# Altium PCB STM_Core_BRD.PcbDoc
Units mm, origin at the board's own origin, x right, y up, seen from the top; angles counter-clockwise.
Board outline 78 x 61 mm, 2 copper layers (Top Layer, Bottom Layer); 43 components, 249 nets, 650 pads, 155 vias.
Unrouted connection lines stored in the file: 1.
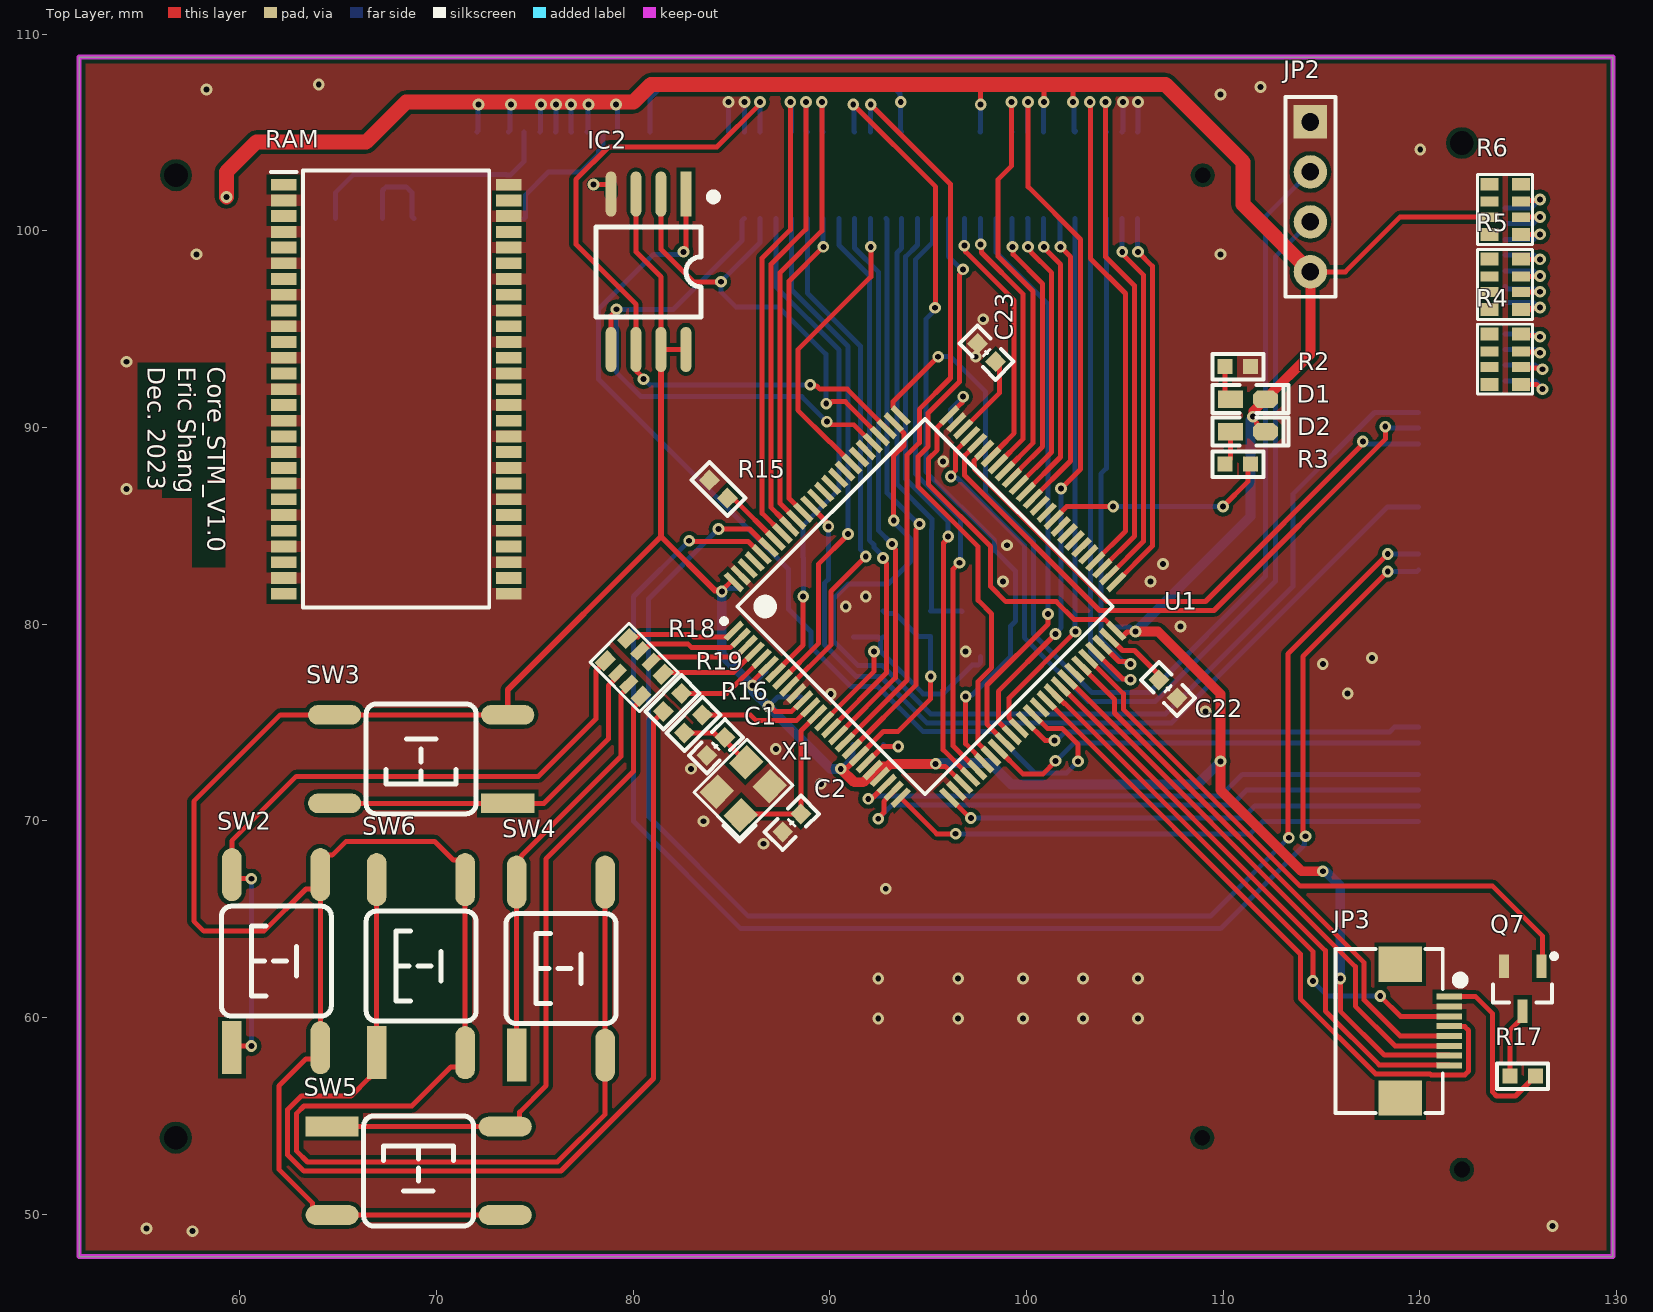
[diagram p0: Top Layer view]
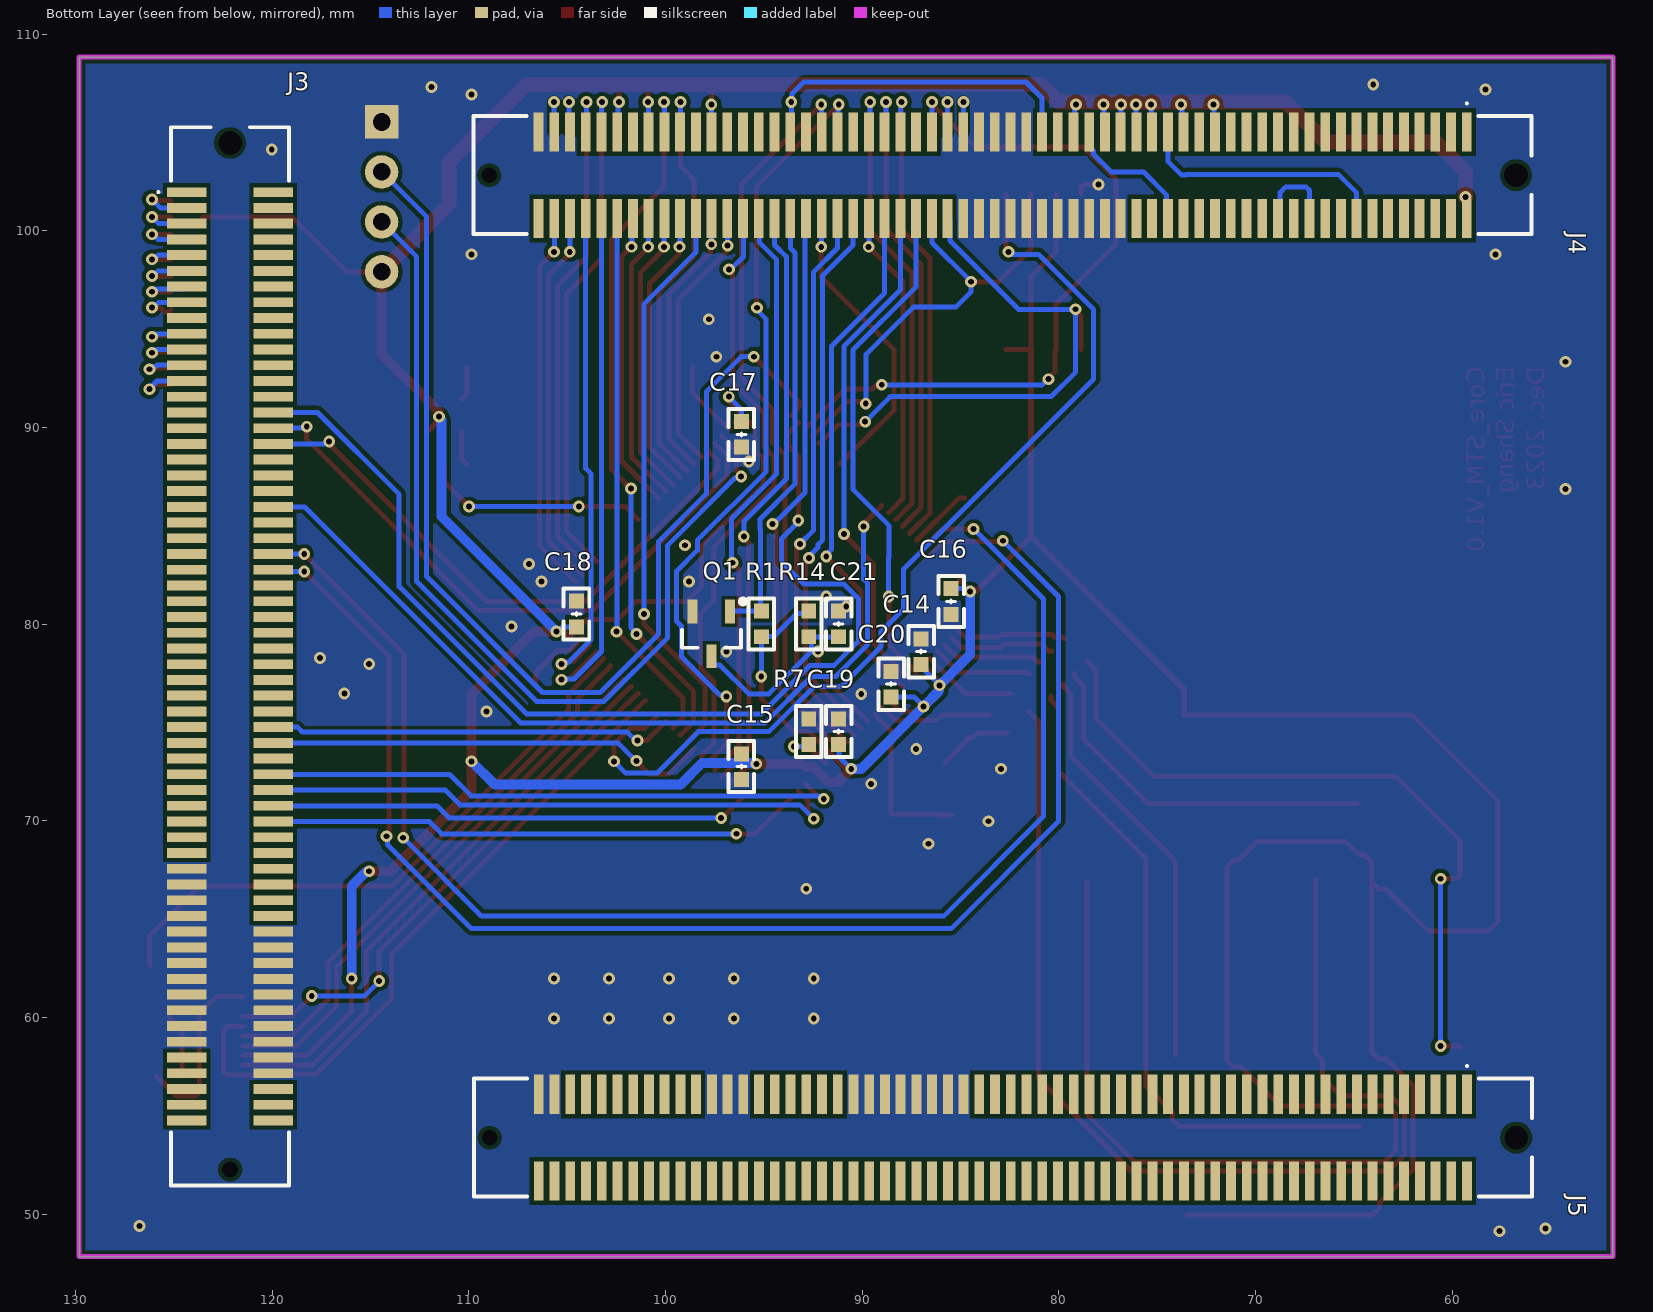
[diagram p1: Bottom Layer view, seen from below]

## Layer stack, top to bottom
Top Solder: solder mask 0.0102, Solder Resist, Dk 3.5
Top Layer: signal copper 0.0356
Dielectric 1: dielectric 0.32, FR-4, Dk 4.8
Bottom Layer: signal copper 0.0356
Bottom Solder: solder mask 0.0102, Solder Resist, Dk 3.5

## Board outline
51.816,47.839 51.816,108.839 129.816,108.839 129.816,47.839

## Design rules (kind name [scope] priority, off if disabled: settings)
Clearance [All] p1: gap=0.2 ignorepadtopadclearanceinfootprint=FALSE
PolygonConnect [All] p1: connectstyle=Direct reliefconductorwidth=0.254 reliefentries=4 polygonreliefangle="90 Angle" airgapwidth=0.254
RoomDefinition U_STM32 [InComponentClass('U_STM32')] p1: confinementstyle=ConfineIn formatcopy=TRUE lockcomponents=FALSE outline 51.816,47.371 129.286,47.371 129.286,108.712 51.816,108.712
RoomDefinition CorePort [InComponentClass('CorePort')] p2: confinementstyle=ConfineIn formatcopy=TRUE lockcomponents=FALSE outline 51.562,47.117 129.413,47.117 129.413,108.839 51.562,108.839
RoutingVias [All] p1: holewidth=0.3 width=0.6 viastyle="Through Hole" minholewidth=0.3 minwidth=0.6 maxholewidth=1 maxwidth=2
SolderMaskExpansion [All] p1: expansion=0.102 istentingtop=FALSE
Width [All] p1: maxlimit=0.762 minlimit=0.254 preferedwidth=0.254 minimp=50.000000 maximp=50.000000 favimp=50.000000
30 further rules are at their usual default settings.

## Classes and differential pairs
component class U_STM32: C1 C2 C14 C15 C16 C17 C18 C19 C20 C21 C22 C23 D1 D2 IC2 JP2 JP3 Q1 Q7 R1 R2 R3 R7 R14 R15 R16 R17 R18 R19 SW2 SW3 SW4 SW5 SW6 U1 X1
component class CorePort: J3 J4 J5 R4 R5 R6

## Components (designator, comment, footprint, x,y, rotation, side; value= is the part's Value field where it differs from the comment)
C1 "22pF" "C 0603_L" 84.201,73.787 r45 top
C2 "22pF" "C 0603_L" 88.059,69.898 r225 top
C14 "104" "C 0603_L" 86.995,78.598 r270 bottom
C15 "104" "C 0603_L" 96.139,72.756 r90 bottom
C16 "104" "C 0603_L" 85.471,81.153 r90 bottom
C17 "104" "C 0603_L" 96.139,89.647 r90 bottom
C18 "104" "C 0603_L" 104.521,80.518 r270 bottom
C19 "104" "C 0603_L" 91.186,74.534 r270 bottom
C20 "104" "C 0603_L" 88.519,76.947 r270 bottom
C21 "104" "C 0603_L" 91.186,80.01 r270 bottom
C22 "104" "C 0603_L" 107.188,76.708 r135 top
C23 "104" "C 0603_L" 97.966,93.805 r315 top
D1 "LED" "LED 0603W" 111.252,91.433 r0 top
D2 "LED" "LED 0603W" 111.252,89.789 r0 top
IC2 "W25Qxx" SOP8W_N 80.772,97.917 r270 top
J3 "10139085-121402LF" 10139085121402LF 122.133,78.366 r90 bottom
J4 "10139781-121402LF" 10139781121402LF 82.85,102.829 r180 bottom
J5 "10139781-121402LF" 10139781121402LF 82.837,53.889 r180 bottom
JP2 "HDR-1X4" HDR2.54-LI-4P 114.427,101.727 r270 top
JP3 "HDR-1X8" "FPC0.5 2H-WS-8P" 118.999,59.309 r270 top
Q1 "SI2302" SOT23-3N 97.663,79.502 r0 bottom
Q7 "SS8050" SOT23-3N 125.222,61.468 r180 top
R1 "10K" "R 0603_L" 95.123,80.01 r270 bottom
R2 "100R" "R 0603_L" 110.744,93.091 r180 top
R3 "500R" "R 0603_L" 110.744,88.138 r180 top
R4 "102" RCA-8P4R-0603 124.333,93.472 r90 top
R5 "102" RCA-8P4R-0603 124.333,97.282 r90 top
R6 "102" RCA-8P4R-0603 124.333,101.092 r90 top
R7 "0" "R 0603_L" 92.71,74.534 r270 bottom
R14 "10K" "R 0603_L" 92.71,80.01 r90 bottom
R15 "10K" "R 0603_L" 84.328,86.868 r315 top
R16 "0" "R 0603_L" 83.058,74.93 r45 top
R17 "10" "R 0603_L" 125.222,57.023 r0 top
R18 "1K" RCA-8P4R-0603 80.052,77.798 r315 top
R19 "1K" "R 0603_L" 81.994,76.025 r45 top
RAM "Comment" SOP80P1176X120-54N 67.945,91.948 r0 top
SW2 "6x6x5" "TSW SMD-6*6*4.3" 61.849,62.865 r90 top
SW3 "6x6x5" "TSW SMD-6*6*4.3" 69.215,73.152 r180 top
SW4 "6x6x5" "TSW SMD-6*6*4.3" 76.327,62.484 r90 top
SW5 "6x6x5" "TSW SMD-6*6*4.3" 69.088,52.197 r0 top
SW6 "6x6x5" "TSW SMD-6*6*4.3" 69.215,62.611 r90 top
U1 "STM32F407VGT6" LQFP100_V 94.833,80.897 r45 top locked
X1 "8M" "OSC 3225-4P" 85.598,71.628 r45 top

## Footprints (in the part's own frame and the unit in brackets; to place one, negate y for a bottom-side part, rotate by r counter-clockwise, add the part's x,y. Pads: shape width x height; smd on the part's side, far side on the other; paste and mask are expansions set on the pad)
10139085121402LF [mm]
  rect 0.5x2 smd: 1(23.6,2.2) 2(22.8,2.2) 3(22,2.2) 4(21.2,2.2) 5(20.4,2.2) 6(19.6,2.2) 7(18.8,2.2) 8(18,2.2) 9(17.2,2.2) 10(16.4,2.2) 11(15.6,2.2) 12(14.8,2.2) 13(14,2.2) 14(13.2,2.2) 15(12.4,2.2) 16(11.6,2.2) 17(10.8,2.2) 18(10,2.2) 19(9.2,2.2) 20(8.4,2.2) 21(7.6,2.2) 22(6.8,2.2) 23(6,2.2) 24(5.2,2.2) 25(4.4,2.2) 26(3.6,2.2) 27(2.8,2.2) 28(2,2.2) 29(1.2,2.2) 30(0.4,2.2) 31(-0.4,2.2) 32(-1.2,2.2) 33(-2,2.2) 34(-2.8,2.2) 35(-3.6,2.2) 36(-4.4,2.2) 37(-5.2,2.2) 38(-6,2.2) 39(-6.8,2.2) 40(-7.6,2.2) 41(-8.4,2.2) 42(-9.2,2.2) 43(-10,2.2) 44(-10.8,2.2) 45(-11.6,2.2) 46(-12.4,2.2) 47(-13.2,2.2) 48(-14,2.2) 49(-14.8,2.2) 50(-15.6,2.2) 51(-16.4,2.2) 52(-17.2,2.2) 53(-18,2.2) 54(-18.8,2.2) 55(-19.6,2.2) 56(-20.4,2.2) 57(-21.2,2.2) 58(-22,2.2) 59(-22.8,2.2) 60(-23.6,2.2) 61(23.6,-2.2) 62(22.8,-2.2) 63(22,-2.2) 64(21.2,-2.2) 65(20.4,-2.2) 66(19.6,-2.2) 67(18.8,-2.2) 68(18,-2.2) 69(17.2,-2.2) 70(16.4,-2.2) 71(15.6,-2.2) 72(14.8,-2.2) 73(14,-2.2) 74(13.2,-2.2) 75(12.4,-2.2) 76(11.6,-2.2) 77(10.8,-2.2) 78(10,-2.2) 79(9.2,-2.2) 80(8.4,-2.2) 81(7.6,-2.2) 82(6.8,-2.2) 83(6,-2.2) 84(5.2,-2.2) 85(4.4,-2.2) 86(3.6,-2.2) 87(2.8,-2.2) 88(2,-2.2) 89(1.2,-2.2) 90(0.4,-2.2) 91(-0.4,-2.2) 92(-1.2,-2.2) 93(-2,-2.2) 94(-2.8,-2.2) 95(-3.6,-2.2) 96(-4.4,-2.2) 97(-5.2,-2.2) 98(-6,-2.2) 99(-6.8,-2.2) 100(-7.6,-2.2) 101(-8.4,-2.2) 102(-9.2,-2.2) 103(-10,-2.2) 104(-10.8,-2.2) 105(-11.6,-2.2) 106(-12.4,-2.2) 107(-13.2,-2.2) 108(-14,-2.2) 109(-14.8,-2.2) 110(-15.6,-2.2) 111(-16.4,-2.2) 112(-17.2,-2.2) 113(-18,-2.2) 114(-18.8,-2.2) 115(-19.6,-2.2) 116(-20.4,-2.2) 117(-21.2,-2.2) 118(-22,-2.2) 119(-22.8,-2.2) 120(-23.6,-2.2)
  round 0.6 hole 1.2 unplated: MH1(26.1,0)
  round 0.4 hole 0.8 unplated: MH2(-26.1,0)
  silkscreen extent -26.9,-3 26.9,3.7, body extent -26.9,-2.9 26.9,3.1, height 4.65
10139781121402LF [mm]
  rect 0.5x2 smd: 1(23.6,2.2) 2(22.8,2.2) 3(22,2.2) 4(21.2,2.2) 5(20.4,2.2) 6(19.6,2.2) 7(18.8,2.2) 8(18,2.2) 9(17.2,2.2) 10(16.4,2.2) 11(15.6,2.2) 12(14.8,2.2) 13(14,2.2) 14(13.2,2.2) 15(12.4,2.2) 16(11.6,2.2) 17(10.8,2.2) 18(10,2.2) 19(9.2,2.2) 20(8.4,2.2) 21(7.6,2.2) 22(6.8,2.2) 23(6,2.2) 24(5.2,2.2) 25(4.4,2.2) 26(3.6,2.2) 27(2.8,2.2) 28(2,2.2) 29(1.2,2.2) 30(0.4,2.2) 31(-0.4,2.2) 32(-1.2,2.2) 33(-2,2.2) 34(-2.8,2.2) 35(-3.6,2.2) 36(-4.4,2.2) 37(-5.2,2.2) 38(-6,2.2) 39(-6.8,2.2) 40(-7.6,2.2) 41(-8.4,2.2) 42(-9.2,2.2) 43(-10,2.2) 44(-10.8,2.2) 45(-11.6,2.2) 46(-12.4,2.2) 47(-13.2,2.2) 48(-14,2.2) 49(-14.8,2.2) 50(-15.6,2.2) 51(-16.4,2.2) 52(-17.2,2.2) 53(-18,2.2) 54(-18.8,2.2) 55(-19.6,2.2) 56(-20.4,2.2) 57(-21.2,2.2) 58(-22,2.2) 59(-22.8,2.2) 60(-23.6,2.2) 61(23.6,-2.2) 62(22.8,-2.2) 63(22,-2.2) 64(21.2,-2.2) 65(20.4,-2.2) 66(19.6,-2.2) 67(18.8,-2.2) 68(18,-2.2) 69(17.2,-2.2) 70(16.4,-2.2) 71(15.6,-2.2) 72(14.8,-2.2) 73(14,-2.2) 74(13.2,-2.2) 75(12.4,-2.2) 76(11.6,-2.2) 77(10.8,-2.2) 78(10,-2.2) 79(9.2,-2.2) 80(8.4,-2.2) 81(7.6,-2.2) 82(6.8,-2.2) 83(6,-2.2) 84(5.2,-2.2) 85(4.4,-2.2) 86(3.6,-2.2) 87(2.8,-2.2) 88(2,-2.2) 89(1.2,-2.2) 90(0.4,-2.2) 91(-0.4,-2.2) 92(-1.2,-2.2) 93(-2,-2.2) 94(-2.8,-2.2) 95(-3.6,-2.2) 96(-4.4,-2.2) 97(-5.2,-2.2) 98(-6,-2.2) 99(-6.8,-2.2) 100(-7.6,-2.2) 101(-8.4,-2.2) 102(-9.2,-2.2) 103(-10,-2.2) 104(-10.8,-2.2) 105(-11.6,-2.2) 106(-12.4,-2.2) 107(-13.2,-2.2) 108(-14,-2.2) 109(-14.8,-2.2) 110(-15.6,-2.2) 111(-16.4,-2.2) 112(-17.2,-2.2) 113(-18,-2.2) 114(-18.8,-2.2) 115(-19.6,-2.2) 116(-20.4,-2.2) 117(-21.2,-2.2) 118(-22,-2.2) 119(-22.8,-2.2) 120(-23.6,-2.2)
  round 0.6 hole 1.2 unplated: MH1(26.1,0)
  round 0.4 hole 0.8 unplated: MH2(-26.1,0)
  silkscreen extent -26.9,-3 26.9,3.7, body extent -26.9,-3 26.9,3, height 3.74
"C 0603_L" [mil] "无极性贴片电容                                       淘宝ID:黄晶宝石"
  rect 30x30 smd: 1(-25.59,0) 2(25.59,0)
  silkscreen extent -51,-26 51,26, body extent -31,-16 31,16, height 32
"FPC0.5 2H-WS-8P" [mm] "长：8.2mm，宽：5.2mm，高：2mm 淘宝ID:黄晶宝石   店铺网址:https://shop463601444.taobao.com"
  rect 1.8x2.2 smd: 0(-3.4,0) 0(3.4,0)
  rect 0.3x1.3 smd: 1(-1.75,2.497) 2(-1.25,2.497) 3(-0.75,2.497) 4(-0.25,2.497) 5(0.25,2.497) 6(0.75,2.497) 7(1.25,2.497) 8(1.75,2.497)
  silkscreen extent -4.17,-3.3 4.17,3.23, body extent -4.1,-3.15 4.1,2.85, height 2
HDR2.54-LI-4P [mm] "排针，4脚"
  rect 1.7x1.7 hole 0.9: 1(-3.81,0)
  round 1.7 hole 0.9: 2(-1.27,0) 3(1.27,0) 4(3.81,0)
  silkscreen extent -5.08,-1.27 5.08,1.27, body extent -5.08,-1.27 5.08,1.27, height 8.5
"LED 0603W" [mil] "白色0603LED                                        淘宝ID:黄晶宝石"
  rect 50x35 smd: 1(-35,0.26)
  oct 50x35 smd: 2(35,0.26)
  silkscreen extent -71,-28 81,28, body extent -31,-16 32,16, height 18
LQFP100_V [mm] "Thin QFP, 100-Leads, Body 14x14mm, Pitch 0.5mm, ST Recommended"
  rect 1.2x0.3 smd: 1(-7.75,6) 2(-7.75,5.5) 3(-7.75,5) 4(-7.75,4.5) 5(-7.75,4) 6(-7.75,3.5) 7(-7.75,3) 8(-7.75,2.5) 9(-7.75,2) 10(-7.75,1.5) 11(-7.75,1) 12(-7.75,0.5) 13(-7.75,0) 14(-7.75,-0.5) 15(-7.75,-1) 16(-7.75,-1.5) 17(-7.75,-2) 18(-7.75,-2.5) 19(-7.75,-3) 20(-7.75,-3.5) 21(-7.75,-4) 22(-7.75,-4.5) 23(-7.75,-5) 24(-7.75,-5.5) 25(-7.75,-6) 51(7.75,-6) 52(7.75,-5.5) 53(7.75,-5) 54(7.75,-4.5) 55(7.75,-4) 56(7.75,-3.5) 57(7.75,-3) 58(7.75,-2.5) 59(7.75,-2) 60(7.75,-1.5) 61(7.75,-1) 62(7.75,-0.5) 63(7.75,0) 64(7.75,0.5) 65(7.75,1) 66(7.75,1.5) 67(7.75,2) 68(7.75,2.5) 69(7.75,3) 70(7.75,3.5) 71(7.75,4) 72(7.75,4.5) 73(7.75,5) 74(7.75,5.5) 75(7.75,6)
  rect 0.3x1.2 smd: 26(-6,-7.75) 27(-5.5,-7.75) 28(-5,-7.75) 29(-4.5,-7.75) 30(-4,-7.75) 31(-3.5,-7.75) 32(-3,-7.75) 33(-2.5,-7.75) 34(-2,-7.75) 35(-1.5,-7.75) 36(-1,-7.75) 37(-0.5,-7.75) 38(0,-7.75) 39(0.5,-7.75) 40(1,-7.75) 41(1.5,-7.75) 42(2,-7.75) 43(2.5,-7.75) 44(3,-7.75) 45(3.5,-7.75) 46(4,-7.75) 47(4.5,-7.75) 48(5,-7.75) 49(5.5,-7.75) 50(6,-7.75) 76(6,7.75) 77(5.5,7.75) 78(5,7.75) 79(4.5,7.75) 80(4,7.75) 81(3.5,7.75) 82(3,7.75) 83(2.5,7.75) 84(2,7.75) 85(1.5,7.75) 86(1,7.75) 87(0.5,7.75) 88(0,7.75) 89(-0.5,7.75) 90(-1,7.75) 91(-1.5,7.75) 92(-2,7.75) 93(-2.5,7.75) 94(-3,7.75) 95(-3.5,7.75) 96(-4,7.75) 97(-4.5,7.75) 98(-5,7.75) 99(-5.5,7.75) 100(-6,7.75)
  silkscreen extent -7.87,-6.75 6.75,6.82, body extent -7,-7 7,7, height 1.6
"OSC 3225-4P" [mm] "3.2*2.5*0.7mm(长宽高)                         淘宝ID:黄晶宝石"
  rect 1.3x1.2 smd: 1(-1.05,-0.85) 2(1.05,-0.85) 3(1.05,0.85) 4(-1.05,0.85)
  silkscreen extent -2.03,-1.75 1.9,1.65, body extent -1.6,-1.25 1.6,1.25, height 0.7
"R 0603_L" [mil] "1/10W贴片电阻                 淘宝ID:黄晶宝石"
  rect 30x30 smd: 1(-25.59,0) 2(25.59,0)
  silkscreen extent -51,-26 51,26, body extent -31,-16 31,16, height 16
RCA-8P4R-0603 [mm] "3.2mm*1.6mm*0.6mm(长*宽*厚)"
  rect 0.65x0.9 smd: 1(-1.28,-0.8) 4(1.28,-0.8) 5(1.28,0.8) 8(-1.28,0.8)
  rect 0.5x0.9 smd: 2(-0.4,-0.8) 3(0.4,-0.8) 6(0.4,0.8) 7(-0.4,0.8)
  silkscreen extent -1.78,-1.4 1.78,1.4, body extent -1.6,-0.8 1.6,0.8, height 0.6
SOP8W_N [mm] "5.3*8.3*1.8mm（长宽高）"
  rect 2.3x0.55 smd: 1(-3.95,1.905)
  oval 2.3x0.55 smd: 2(-3.95,0.635) 3(-3.95,-0.635) 4(-3.95,-1.905) 5(3.95,-1.905) 6(3.95,-0.635) 7(3.95,0.635) 8(3.95,1.905)
  silkscreen extent -3.94,-2.67 2.29,3.43, body extent -3.94,-2.64 3.94,2.64, height 1.9
SOP80P1176X120-54N [mm]
  rect 1.295x0.6 smd: 1(-5.728,10.4) 2(-5.728,9.6) 3(-5.728,8.8) 4(-5.728,8) 5(-5.728,7.2) 6(-5.728,6.4) 7(-5.728,5.6) 8(-5.728,4.8) 9(-5.728,4) 10(-5.728,3.2) 11(-5.728,2.4) 12(-5.728,1.6) 13(-5.728,0.8) 14(-5.728,0) 15(-5.728,-0.8) 16(-5.728,-1.6) 17(-5.728,-2.4) 18(-5.728,-3.2) 19(-5.728,-4) 20(-5.728,-4.8) 21(-5.728,-5.6) 22(-5.728,-6.4) 23(-5.728,-7.2) 24(-5.728,-8) 25(-5.728,-8.8) 26(-5.728,-9.6) 27(-5.728,-10.4) 28(5.728,-10.4) 29(5.728,-9.6) 30(5.728,-8.8) 31(5.728,-8) 32(5.728,-7.2) 33(5.728,-6.4) 34(5.728,-5.6) 35(5.728,-4.8) 36(5.728,-4) 37(5.728,-3.2) 38(5.728,-2.4) 39(5.728,-1.6) 40(5.728,-0.8) 41(5.728,0) 42(5.728,0.8) 43(5.728,1.6) 44(5.728,2.4) 45(5.728,3.2) 46(5.728,4) 47(5.728,4.8) 48(5.728,5.6) 49(5.728,6.4) 50(5.728,7.2) 51(5.728,8) 52(5.728,8.8) 53(5.728,9.6) 54(5.728,10.4)
  silkscreen extent -6.38,-11.11 4.73,11.11, body extent -5.88,-11.11 5.88,11.11, height 1.2
SOT23-3N [mm] "3x1.3x1mm(长宽高)    封装库来自淘宝卖家 ID：黄晶宝石"
  rect 0.5x1.2 smd: 1(-0.95,-1.143) 2(0.95,-1.143) 3(0,1.143)
  silkscreen extent -1.72,-1.78 1.5,0.7, body extent -1.5,-1.2 1.5,1.2, height 1.05
"TSW SMD-6*6*4.3" [mm] "6*6*4.3mm"
  rect 2.7x1 smd: 1(-4.4,2.261)
  oval 2.7x1 smd: 2(-4.4,-2.239) 3(4.4,-2.239) 4(4.4,2.261)
  silkscreen extent -2.79,-2.79 2.79,2.79, body extent -4.5,-3 4.5,3, height 4.25

## Part data
C1 C2 C14 C15 C16 C17 C18 C19 C20 C21 C22 C23: library part C, "贴片电容", BOM名称=无极性贴片电容, 唯一出售店铺网址=https://shop463601444.taobao.com, 淘宝ID="封装库来自淘宝 ID：黄晶宝石", 联系售后，技术支持=https://shop463601444.taobao.com
D1 D2: "发光二极管", 技术支持，联系售后=https://shop463601444.taobao.com
IC2: library part W25Q, "SPI Flash", BOM名称=外置Flash, 学习资源=https://shop463601444.taobao.com, 版权归属="封装库来自淘宝 ID：黄晶宝石"
J3: "Connector FE", Manufacturer_Name="Amphenol Communications Solutions", Manufacturer_Part_Number=10139781-121402LF, Datasheet Link=https://cdn.amphenol-cs.com/media/wysiwyg/files/drawing/10139781.pdf, Height=4.3mm
J4 J5: "Connector M", Manufacturer_Name="Amphenol Communications Solutions", Datasheet Link=https://cdn.amphenol-cs.com/media/wysiwyg/files/drawing/10139781.pdf, Height=4.3mm, Manufacturer_Part_Number=10139781-121402LF
JP2: library part "Header 4", "4P接插件", BOM名称=4P接插件, 学习资源=https://shop463601444.taobao.com, 版权归属="封装库来自淘宝 ID：黄晶宝石"
JP3: library part "Header 8", "8P接插件", BOM名称=8P接插件, 学习资源=https://shop463601444.taobao.com, 版权归属="封装库来自淘宝 ID：黄晶宝石"
Q1: "N沟道场效应管", BOM名称=N沟道场效应管, 学习资源=https://shop463601444.taobao.com, 技术支持，联系售后="封装库来自淘宝 ID：黄晶宝石"
Q7: library part 8050-SMD, "高频放大-NPN型", BOM名称=高频放大-NPN型, 属性="40V 1.5A 1W 100MHZ", 版权归属="封装库来自淘宝 ID：黄晶宝石", 联系售后=https://shop463601444.taobao.com
R1 R2 R3 R7 R14 R15 R16 R17 R19: library part R, "贴片电阻", BOM名称=贴片电阻, 封装库来自淘宝卖家 ID：黄晶宝石=其他店铺购入均为盗版，不享受售后技术支持服务，请立即申请退款, 版权归属="来自淘宝 ID：黄晶宝石", 联系售后=https://shop463601444.taobao.com
R4 R5 R6 R18: library part R-8P4R, "贴片排阻", BOM名称=贴片网络排阻, 版权归属="封装库来自淘宝 ID：黄晶宝石", 联系售后=https://shop463601444.taobao.com
SW2 SW3 SW4 SW5 SW6: library part "TSW SMD-6x6", "贴片6x6轻触开关", BOM名称=贴片6x6轻触开关, 唯一出售店铺网址=https://shop463601444.taobao.com, 版权归属="封装库来自淘宝 ID：黄晶宝石"
U1: "ARM Cortex-M4 32b MCU+FPU, 210DMIP, 1024 kB Flash, 192+4 kB RAM, Camera, 82 I/Os, 100-pin LQFP, -40 to +85癈, Tray", Operating Frequency (Processor Speed)=168MHz, 16-bit Timers (IC/OC/PWM)=12x16-bit(24/24/30), 32-bit Timer (IC/OC/PWM)="2x32-bit (8/8/8)", A/D Converter=16x12-bit, ComponentLink1Description="Manufacturer URL", ComponentLink1URL=http://www.st.com/, ComponentLink2Description="STM32F405/7 Datasheet", ComponentLink2URL=http://www.st.com/internet/com/TECHNICAL_RESOURCES/TECHNICAL_LITERATURE/DATASHEET/DM00037051.pdf, ComponentLink3Description="STM32F4 Web Page", ComponentLink3URL=http://www.st.com/internet/mcu/subclass/1521.jsp, D/A Converter=2x12-bit, DatasheetVersion="rev2, Jan-2012", Internal RAM=192kB, Other Timer Functions="2xWDG, RTC, 24-bit down counter", PackageDescription="100-Pin Low Profile Quad Flat Package, 14x14 mm Body, 0.5 mm Pitch", PackageReference=LQFP100, PackageVersion=2012, Serial Interface="3xSPI/2xI2S/2xI2C/3xUSART(IrDa, ISO7816)/3xUART/2xUSB OTG FS/HS, 2xCAN/Ethernet MAC10/100, SDIO"
X1: library part XTAL-4P, "4脚无源晶振", BOM名称=4脚无源晶振, 学习资源=https://shop463601444.taobao.com, 版权归属="封装库来自淘宝卖家 ID：黄晶宝石"

## Via types
v1: diameter 0.6, hole 0.3, Top Layer to Bottom Layer, tented both sides, 155 vias

## Nets (pads, with @x,y where several pads share a name; then routed paths per layer and width w, separated by ;. In a path a pad name is that pad's centre, name@x,y a point inside that pad or via, vN(x,y) a via of type N, cw(c..) or ccw(c..) an arc to the next point about the centre after c; other vN are vias at no path point)
0V75DVDD: R4.7
1V0DVDD: R4.6
1V2DVDD: R4.5
1V5DVDD: R5.7
1V8DVDD: R5.6
1V8DVDD2: R5.5
1V35DVDD: R5.8
2V5DVDD: R6.8
3V3DVDD: C14.2 C15.2 C16.2 C17.2 C18.2 C19.2 C20.2 D1.2 D2.2 IC2.3 IC2.7 IC2.8 J4.17 J4.19 J4.21 J4.22 J4.23 J4.24 J4.26 J4.49 J4.53 J4.55 J4.61 JP2.4 JP3.7 R1.2 R6.7 R14.2 SW2.2 SW2.3 SW3.2 SW3.3 SW4.2 SW4.3 SW5.2 SW5.3 SW6.2 SW6.3 U1.6 U1.11 U1.19 U1.21 U1.22 U1.28 U1.50 U1.75 U1.100 | length 379.7
  Top Layer w0.254: SW5.3 SW5.2 64.045,49.958 63.7,50.302 63.7,50.558 61.976,52.282 61.976,56.515 63.356,57.895 63.744,57.895 64.088,58.24 SW2.2 SW2.3@64.088,66.877 ; SW3.2 SW3.3 62.056,75.391 57.658,70.993 57.658,64.897 58.166,64.389 61.212,64.389 63.356,66.533 63.744,66.533 SW2.3@64.088,66.877 ; SW4.3 SW4.2 78.566,55.079 76.139,52.651 63.434,52.651 62.884,53.201 62.884,55.13 63.253,55.499 68.742,55.499 70.722,57.479 71.11,57.479 71.454,57.823 SW6.2 SW6.3 71.454,67.654 71.11,67.999 70.854,67.999 69.892,68.961 65.397,68.961 64.689,68.253 64.433,68.253 64.088,67.908 SW2.3 SW2.3@64.088,66.877 ; IC2.3 80.137,98.933 81.407,97.663 IC2.7 IC2.8 ; v1@84.478,81.684 85.003,82.209 85.036,82.209 U1.100 ; v1(86.056,76.89) 86.056,77.07 U1.6 ; v1(86.868,75.819) 86.962,75.819 87.216,75.565 88.054,75.565 88.613,76.124 U1.11 ; v1(90.551,72.644) 90.617,72.71 90.888,72.71 U1.19 92.727,74.549 93.472,74.549 95.123,76.2 v1(95.123,77.343) ; v1@95.598,72.771 95.855,72.771 96.745,71.882 U1.28 ; v1(96.774,91.567) 96.708,91.501 96.708,91.257 U1.75 95.45,90 95.45,88.844 95.003,88.397 95.003,87.115 98.171,83.947 98.171,81.915 98.941,81.145 101.514,81.145 102.414,80.245 103.97,80.245 U1.50 104.843,79.372 104.876,79.372 105.108,79.603 105.511,79.603 v1(105.537,79.629) ; 97.536,107.442 97.663,107.315 v1(97.663,106.426) ; 100.711,107.442 100.876,107.277 v1(100.876,106.553) ; v1(102.362,106.553) 102.362,107.442 ; 111.687,90.255 111.687,90.207 112.098,89.796 D2.2 ; JP2.4 116.205,97.917 118.98,100.692 R6.7 ; v1(115.951,61.976) 115.951,60.325 118.194,58.082 121.473,58.082 JP3.7
  Top Layer w0.3: SW3.2 73.615,76.663 81.407,84.455 ; IC2.7 81.407,84.455 ; v1(84.502,81.661) 84.444,81.718 84.144,81.718 81.407,84.455
  Top Layer w0.5: v1(90.551,72.644) 91.233,71.962 91.696,71.962 92.499,72.765 92.923,72.765 93.056,72.898 v1(95.377,72.898) ; v1(105.537,79.629) 106.68,79.629 109.855,76.454 v1(109.855,73.025) 109.855,71.555 113.973,67.437 v1(115.062,67.437) ; v1(111.514,90.551) 111.533,90.57 111.533,90.832 D1.2 114.427,93.726 JP2.4
  Top Layer w0.762: v1(59.309,101.727) 59.309,102.997 60.833,104.521 66.421,104.521 68.453,106.553 80.01,106.553 80.899,107.442 97.536,107.442 100.711,107.442 102.362,107.442 107.061,107.442 110.998,103.505 110.998,101.346 JP2.4
  Bottom Layer w0.254: J4.17 72.093,105.072 72.093,106.383 v1(72.136,106.426) ; J4.19 73.721,105.1 73.721,106.36 v1(73.787,106.426) ; J4.21 75.28,105.06 75.28,106.395 v1(75.311,106.426) ; J4.22 76.061,105.041 76.061,106.414 v1(76.073,106.426) ; v1(76.835,106.426) 76.842,106.419 76.842,105.036 J4.23 ; J4.24 77.687,105.066 77.687,106.389 v1(77.724,106.426) ; v1(79.121,106.426) 79.185,106.362 79.185,105.093 J4.26 ; v1@84.691,81.803 C16.2 ; v1(86.056,76.89) 86.741,77.576 86.741,77.694 C14.2 ; v1(86.868,75.819) 87.346,76.297 C20.2 ; v1(90.551,72.644) 91.178,73.271 91.178,73.876 C19.2 ; R14.2 92.83,80.54 93.323,80.54 94.488,79.375 95.108,79.375 R1.2 v1(95.123,77.343) ; C17.2 96.117,90.319 96.117,90.91 v1(96.774,91.567) ; J4.49@97.625,105.054 J4.49 97.656,105.036 97.656,106.419 v1(97.663,106.426) ; J4.53 100.85,106.527 v1(100.876,106.553) ; v1(102.362,106.553) 102.409,106.506 102.409,105.07 J4.55 J4.55@102.489,105.068 ; C18.2 105.228,79.868 105.467,79.629 v1(105.537,79.629)
  Bottom Layer w0.5: v1(84.502,81.661) 84.502,78.445 v1(86.056,76.89) 86.075,76.871 86.075,76.612 v1(86.868,75.819) 90.043,72.644 v1(90.551,72.644) ; v1(95.377,72.898) 95.396,72.917 95.552,72.917 95.572,72.937 98.132,72.937 99.221,71.848 108.678,71.848 v1(109.855,73.025) ; v1(105.537,79.629) 111.379,85.471 111.379,90.389 111.514,90.524 v1(111.514,90.551) ; v1(115.062,67.437) 115.081,67.418 115.208,67.418 115.951,66.675 v1(115.951,61.976)